# KiCad board dilemma.kicad_pcb (continued)
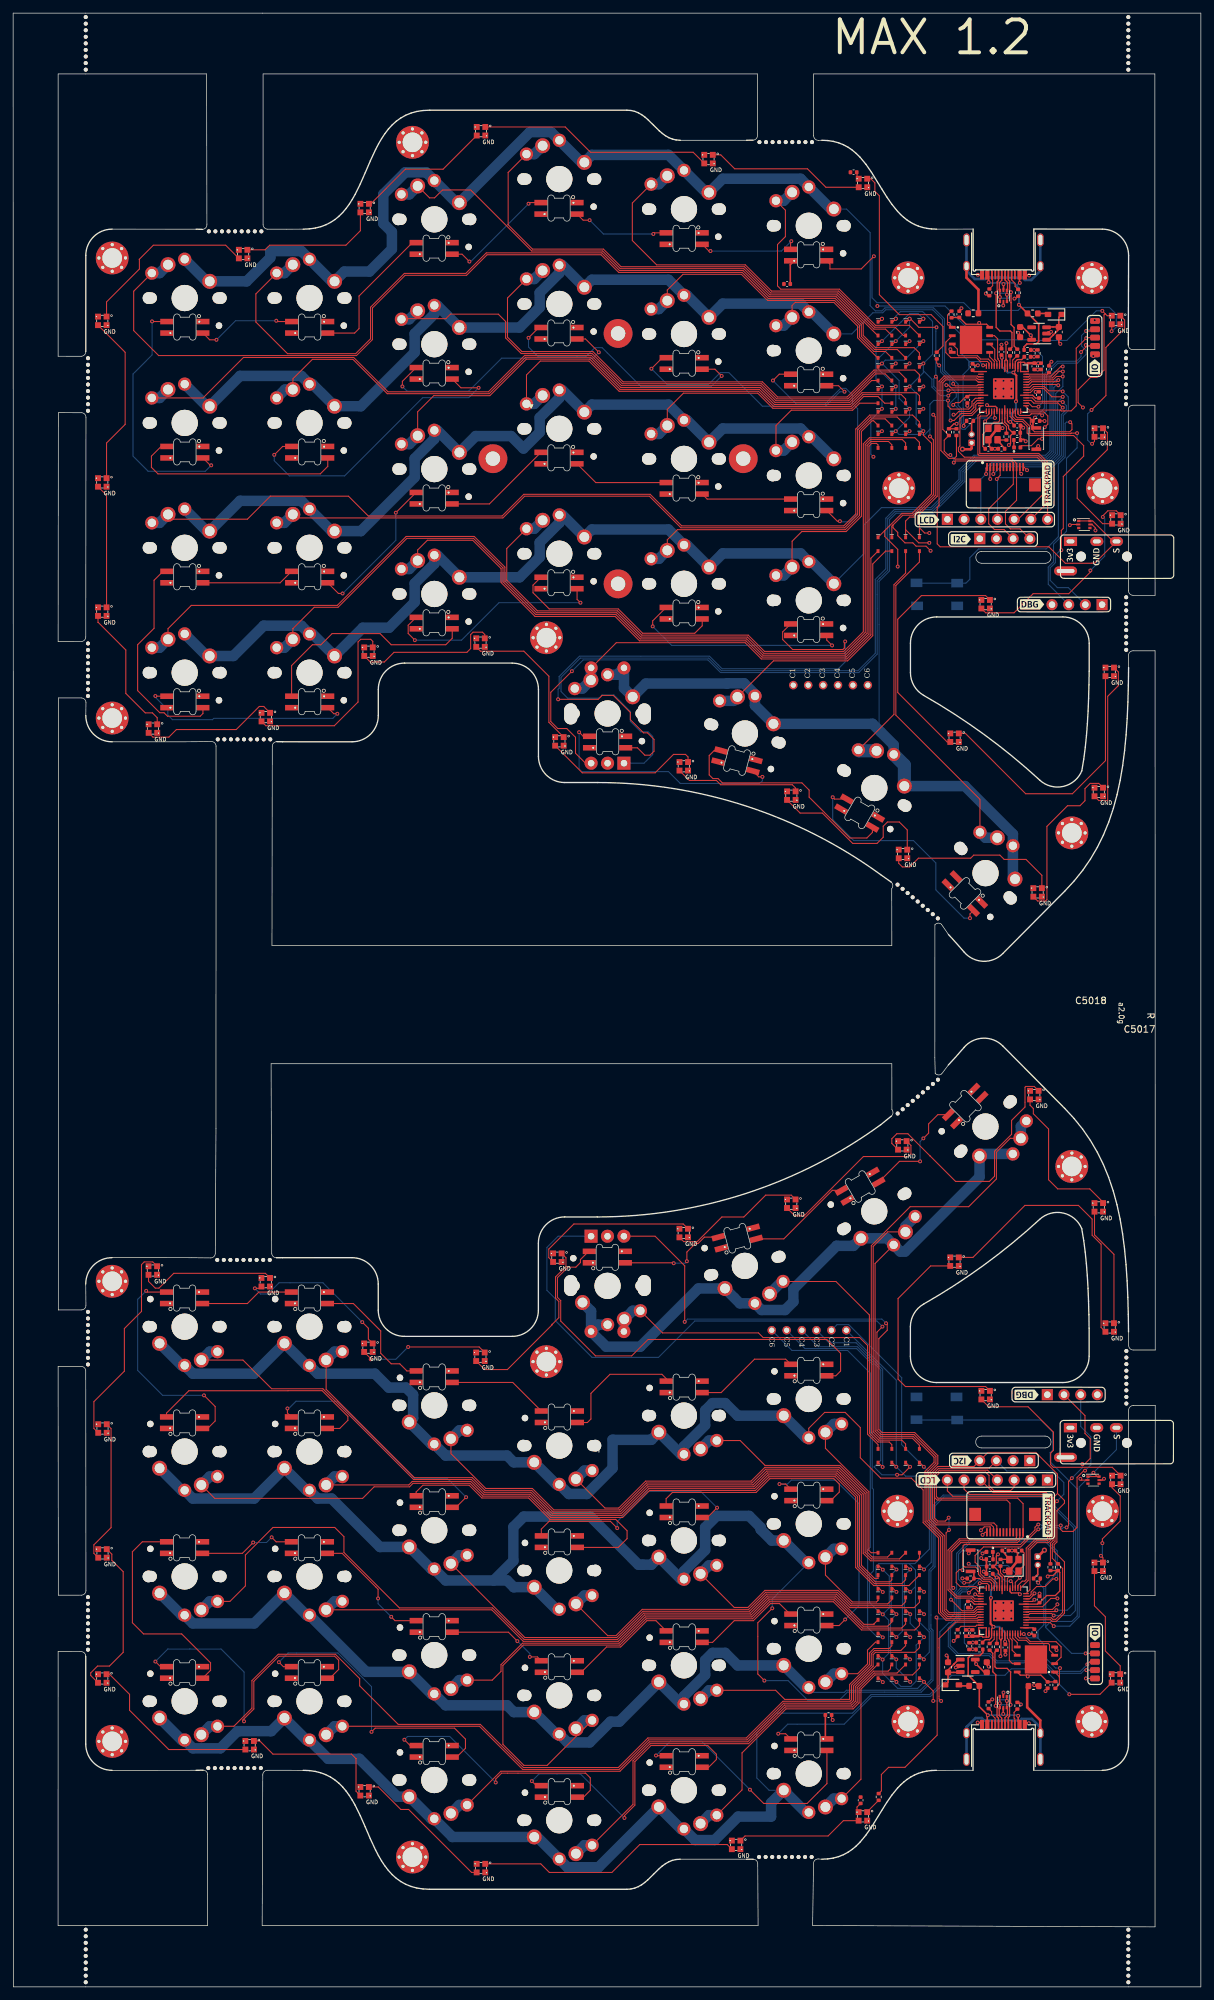
[diagram p0: board, top side]
## Routing (per net, layer and track width the routed paths; a pad name or vN(x,y) marks a point on that pad's centre or on a via; arc(x,y) is an arc through that point) (continued)
Net-(D5049-DIN): length 16.6
  Top w0.16: D5049.3 118.24,56.72 116.65,58.31 115.27,58.31 112.67,55.71 109.76,55.71 106.46,52.41 D5052.1
Net-(D5049-DOUT): length 37.5
  Top w0.16: D5049.1 125.72,54.97 v1(126.65,55.9) ; v1(116.65,76.5) 117.59,76.5 D5053.3
  Bottom w0.16: v1(116.65,76.5) 117.85,76.5 118.45,77.1 125.15,77.1 128.75,73.5 128.75,58 v1(126.65,55.9)
Net-(D5050-DIN): length 32.7
  Top w0.16: D5050.3 99.39,74.27 100.35,75.23 113.09,75.23 115.19,77.33 124.92,77.33 125.75,76.5 125.75,75.28 124.44,73.97 D5053.1
Net-(D5050-DOUT): length 35.5
  Top w0.16: v1(107.15,72.9) 105.66,71.41 D5050.1 ; D5064.3 80.39,69.64 81.59,70.84 81.59,70.84 90.91,70.84 v1(91.95,69.8)
  Bottom w0.16: v1(107.15,72.9) 104.65,75.4 96.55,75.4 91.95,70.8 v1(91.95,69.8)
Net-(D5051-DIN): length 16.1
  Top w0.16: D5051.3 124.69,121.19 117.3,113.8 D5066.1
Net-(D5051-DOUT): length 17.5
  Top w0.16: v1(138.55,129.1) 139.35,129.9 139.35,131.3 140.75,132.7 D5137.3 ; v1(138.05,125.6) 134.91,125.6 D5051.1
  Bottom w0.16: v1(138.05,125.6) 138.05,128.6 v1(138.55,129.1)
Net-(D5052-DIN): length 17.4
  Top w0.16: D5054.1 86.47,47.86 90.32,51.71 92.47,51.71 96.47,55.71 97.84,55.71 D5052.3
Net-(D5054-DIN): length 15.6
  Top w0.16: D5056.1 75.39,53.96 v1(76.75,52.6) ; D5054.3 79.81,50.2 v1(78.65,50.2)
  Bottom w0.16: v1(78.65,50.2) 78.65,50.7 v1(76.75,52.6)
Net-(D5055-DIN): length 15.9
  Top w0.16: D5057.1 107.76,90.41 112.85,95.5 117.59,95.5 D5055.3
Net-(D5055-DOUT): length 65.4
  Top w0.16: D5055.1 125.22,92.97 125.95,93.7 125.95,96.4 123.85,98.5 96.65,98.5 94.15,96 88.65,96 83.35,101.3 83.35,104.4 82.85,104.9 82.85,107.9 84.45,109.5 85.65,109.5 86.35,110.2 86.35,110.66 87.61,111.91 D5065.3
Net-(D5056-DIN): length 19
  Top w0.16: v1(55.55,59.1) 55.55,60.49 50.08,65.96 D5058.1 ; v1(57.55,56.3) 58.14,55.71 D5056.3
  Bottom w0.16: v1(55.55,59.1) 55.55,58.3 v1(57.55,56.3)
Net-(D5057-DIN): length 19.5
  Top w0.16: D5059.1 87.41,85.86 87.95,86.4 87.95,90.3 90.85,93.2 98.75,93.2 99.39,92.56 D5057.3
Net-(D5058-DIN): length 14.8
  Top w0.16: v1(39.35,68.4) 40.04,67.71 D5058.3 ; v1(36.54,67.61) 34.9,65.96 D5134.1
  Bottom w0.16: v1(39.35,68.4) 38.56,67.61 v1(36.54,67.61)
Net-(D5059-DIN): length 15.4
  Top w0.16: D5061.1 76.04,91.96 D5059.3
Net-(D5060-DIN): length 38
  Top w0.16: v1(68.95,74.5) 67.41,72.96 D5062.1 ; D5060.3 41.75,87.31 v1(41.75,88)
  Bottom w0.16: v1(41.75,88) 41.95,88 43.05,89.1 49.35,89.1 61.15,77.3 66.15,77.3 v1(68.95,74.5)
Net-(D5060-DOUT): length 35.4
  Top w0.16: D5060.1 49.71,84.96 50.95,86.2 50.95,86.79 47.03,90.71 41.85,90.71 41.84,90.7 26.75,90.7 23.34,87.3 D5135.3
Net-(D5061-DIN): length 19.7
  Top w0.16: D5063.1 51.79,103.96 55.95,99.8 55.95,96.4 57.55,94.8 58.85,94.8 59.94,93.71 D5061.3
Net-(D5062-DIN): length 45.3
  Top w0.16: D5062.3 61.34,75.3 62.37,76.33 69.41,76.33 71.36,74.38 78.46,74.38 81.71,71.13 91.72,71.13 93.45,69.4 93.45,68.2 92.11,66.86 D5064.1
Net-(D5063-DIN): length 14.2
  Top w0.16: D5063.3 37.4,105.71 35.65,103.96 D5136.1
Net-(D5065-DOUT): length 16.6
  Top w0.16: D5065.1 100.49,110.16 v1(100.55,110.1) ; D5066.3 105.22,114.07 104.25,113.1 103.85,113.1 102.55,111.8 v1(102.55,110.4)
  Bottom w0.16: v1(100.55,110.1) 102.25,110.1 v1(102.55,110.4)
Net-(D5067-A): length 103.6
  Top w0.16: SW101.2 42.57,244.65 45.55,247.63 51.72,247.63 56.94,242.4 72.46,242.4 77.99,247.94 87.89,247.94 92.49,243.34 113.69,243.34 115.99,241.04 127.31,241.04 130.67,244.4 D5067.2
  Bottom w1.6: SW101.2 41.39,243.03 SW101.2
Net-(D5068-A): length 114.9
  Top w0.16: D5068.2 134.54,238.86 130.51,238.86 128.55,236.9 128.55,224 126.55,222 101.65,222 96.85,226.8 77.85,226.8 74.55,223.5 43.11,223.5 SW102.2
  Bottom w1.6: SW102.2 41.29,222.75 SW102.2
Net-(D5069-A): length 141
  Top w0.16: D5069.2 133.75,234.63 133.25,235.13 130.58,235.13 129.99,234.53 129.99,205.94 126.66,202.61 114.13,202.61 111.66,205.09 95.46,205.09 91.76,208.79 79.56,208.79 74.56,213.78 74.56,215.89 70.07,220.39 59.94,220.39 49.45,209.9 45.82,209.9 42.57,206.65 SW103.2
  Bottom w1.6: SW103.2 41.29,203.75 SW103.2
Net-(D5070-A): length 42
  Top w0.16: SW118.2 115.74,201.75 127.01,201.75 130.85,205.58 130.85,216.5 132.8,218.45 D5070.2
  Bottom w1.6: SW118.2 109.65,195.67 SW118.2
Net-(D5071-A): length 89.3
  Top w0.16: SW104.2 59.2,253.82 65.87,253.82 66.55,254.5 73.85,254.5 74.96,253.39 74.96,250.88 77.33,248.51 88.13,248.51 92.73,243.91 113.93,243.91 116.23,241.61 127.07,241.61 131.16,245.71 134.85,245.71 135.85,244.71 D5071.2
  Bottom w1.6: SW104.2 60.29,253.73 SW104.2
Net-(D5072-A): length 91.3
  Top w0.16: SW105.2 61.57,239.65 64.02,242.1 72.56,242.1 78.11,247.65 87.77,247.65 92.37,243.05 113.57,243.05 115.87,240.75 127.43,240.75 129.22,242.54 137.51,242.54 137.95,242.1 D5072.2
  Bottom w1.6: SW105.2 60.29,234.73 SW105.2
Net-(D5073-A): length 114.7
  Top w0.16: D5073.2 131.65,234.61 131.42,234.84 130.7,234.84 130.27,234.41 130.27,205.82 126.78,202.33 114.01,202.33 111.54,204.8 95.34,204.8 91.64,208.5 79.44,208.5 74.28,213.66 74.28,215.77 69.95,220.1 63.05,220.1 61.57,218.62 SW106.2
  Bottom w1.6: SW106.2 60.29,215.73 SW106.2
Net-(D5074-A): length 36.1
  Top w0.16: SW119.2 134.08,193.61 134.08,213.33 135.85,215.11 D5074.2
  Bottom w2: SW119.2 128.78,188.07 SW119.2
Net-(D5075-A): length 82.4
  Top w0.16: D5075.2 137.95,245.3 137.26,245.99 131.04,245.99 126.95,241.9 116.35,241.9 114.05,244.2 92.85,244.2 88.25,248.8 77.45,248.8 75.25,251 75.25,256.96 SW107.2
  Bottom w1.6: SW107.2 79.32,259.85 SW107.2
Net-(D5076-A): length 70.5
  Top w0.16: SW108.2 78.14,245.25 80.25,247.36 87.66,247.36 92.26,242.76 113.46,242.76 115.76,240.46 127.54,240.46 129.34,242.26 135.19,242.26 135.85,241.6 D5076.2
  Bottom w1.6: SW108.2 79.32,240.85 SW108.2
Net-(D5077-A): length 46.1
  Top w0.16: SW112.2 99.57,258.17 101.96,260.56 110.86,260.56 114.84,256.58 125.05,256.58 128.82,252.81 128.82,251.03 131.02,248.83 132.77,248.83 D5077.2
  Bottom w1.6: SW112.2 98.29,255.28 SW112.2
Net-(D5078-A): length 42.8
  Top w0.16: D5078.2 132.67,240.95 131.65,241.97 129.45,241.97 127.66,240.18 115.64,240.18 113.34,242.48 102.03,242.48 99.57,240.02 SW113.2
  Bottom w1.6: SW113.2 98.29,236.28 SW113.2
Net-(D5079-A): length 22.6
  Top w0.16: D5079.2 131.59,247.85 128.53,250.91 128.53,252.69 124.93,256.29 119.04,256.29 118.57,255.82 SW115.2
  Bottom w1.6: SW115.2 117.29,252.75 SW115.2
Net-(D5080-A): length 23.7
  Top w0.16: SW116.2 116.11,237.55 118.45,239.89 127.78,239.89 128.84,240.95 D5080.2
  Bottom w1.6: SW116.2 117.29,233.75 SW116.2
Net-(D5081-A): length 110.7
  Top w0.16: SW109.2 75.14,218.85 75.14,214.02 79.79,209.36 91.99,209.36 95.69,205.66 111.89,205.66 114.37,203.19 126.42,203.19 129.41,206.18 129.41,234.77 130.34,235.7 137.25,235.7 137.95,235 D5081.2
  Bottom w1.6: SW109.2 79.32,221.85 SW109.2
Net-(D5083-A): length 110.2
  Top w0.16: SW5003.2 60.22,76.37 60.75,76.9 69.65,76.9 71.6,74.95 78.7,74.95 81.95,71.7 92.65,71.7 96.75,75.8 112.85,75.8 114.95,77.9 125.25,77.9 128.54,74.61 128.54,63.92 131.11,61.34 135.25,61.34 135.85,61.94 D5083.2
  Bottom w1.6: SW5003.2 48.92,77.65 SW5003.2
Net-(D5084-A): length 40.9
  Top w0.16: D5084.2 133.75,82.5 133.35,82.9 131.66,82.9 130.34,84.22 130.34,102.22 125.24,107.32 SW5005.2
  Bottom w1.6: SW5005.2 117.02,107.32 SW5005.2
Net-(D5085-A): length 45.4
  Top w0.16: D5085.2 137.95,82.4 136.88,83.47 131.89,83.47 130.91,84.45 130.91,112.66 133.12,114.87 SW5009.2
  Bottom w1.6: SW5009.2 135.82,115.71 SW5009.2
Net-(D5086-A): length 83.6
  Top w0.16: SW5007.2 77.89,53.15 91.87,53.15 95.87,57.15 112.07,57.15 114.67,59.75 125.33,59.75 127.37,57.7 137.15,57.7 137.95,58.5 D5086.2
  Bottom w1.6: SW5007.2 67.92,65.67 SW5007.2
Net-(D5087-A): length 59.7
  Top w0.16: D5087.2 135.85,58.6 135.24,57.99 127.49,57.99 125.44,60.03 114.56,60.03 111.96,57.44 95.76,57.44 91.76,53.44 90.5,53.44 SW5011.2
  Bottom w1.6: SW5011.2 86.95,59.55 SW5011.2
Net-(D5089-A): length 36.8
  Top w0.16: SW5015.2 109.76,57.72 111.84,57.72 114.44,60.32 125.56,60.32 127.61,58.27 133.12,58.27 133.75,58.9 D5089.2
  Bottom w1.6: SW5015.2 105.92,64.12 SW5015.2
Net-(D5090-A): length 16
  Top w0.16: D5090.2 131.65,58.79 131.42,58.56 127.73,58.56 123.64,62.65 SW5018.2
  Bottom w1.6: SW5018.2 124.92,66.65 SW5018.2
Net-(D5091-A): length 132
  Top w0.16: D5091.2 137.95,248.6 137.15,249.4 131.26,249.4 129.39,251.27 129.39,253.04 125.29,257.15 115.08,257.15 111.09,261.14 92.3,261.14 89.61,263.83 72.02,263.83 68.9,260.7 59.55,260.7 54.4,255.55 54.4,250.75 52.14,248.49 41.76,248.49 36.95,253.3 36.95,257.59 SW5023.2
  Bottom w1.6: SW5023.2 41.29,260.75 SW5023.2
Net-(D5092-A): length 83.5
  Top w0.16: D5092.2 131.59,251.25 125.4,257.44 115.2,257.44 111.21,261.43 92.42,261.43 89.73,264.11 78.93,264.11 69.64,273.4 65.35,273.4 64.15,272.2 63.38,272.2 SW5024.2
  Bottom w1.6: SW5024.2 60.29,272.73 SW5024.2
Net-(D5093-A): length 80.3
  Top w0.16: SW5025.2 75.35,276.06 75.35,268.1 79.05,264.4 89.85,264.4 92.54,261.71 111.33,261.71 115.32,257.73 125.52,257.73 131.02,252.23 132.77,252.23 D5093.2
  Bottom w1.6: SW5025.2 79.32,278.85 SW5025.2
Net-(D5094-A): length 60.3
  Top w0.16: D5094.2 135.51,251.25 134.25,252.51 131.14,252.51 125.64,258.01 115.44,258.01 111.45,262 97.95,262 94.25,265.7 94.25,271.41 SW5026.2
  Bottom w1.6: SW5026.2 98.29,274.28 SW5026.2
Net-(D5095-A): length 41.8
  Top w0.16: D5095.2 136.4,252.8 131.26,252.8 125.76,258.3 116.85,258.3 116.35,258.8 116.35,265.1 117.55,266.3 117.55,270.32 SW5027.2
  Bottom w1.6: SW5027.2 117.29,271.75 SW5027.2
Net-(D5096-A): length 162.5
  Top w0.16: D5096.2 135.85,234.91 135.35,235.41 130.46,235.41 129.7,234.65 129.7,206.06 126.54,202.9 114.25,202.9 111.78,205.37 95.58,205.37 91.88,209.07 79.68,209.07 74.85,213.9 74.85,216.01 70.19,220.67 59.82,220.67 49.33,210.19 27.11,210.19 23.57,206.65 SW5031.2
  Bottom w1.6: SW5031.2 22.29,203.75 SW5031.2
Net-(D5097-A): length 148.7
  Top w0.16: D5097.2 134.59,249.11 131.14,249.11 129.11,251.15 129.11,252.92 125.17,256.87 114.96,256.87 110.97,260.85 92.18,260.85 89.49,263.54 72.14,263.54 69.02,260.41 59.67,260.41 54.69,255.43 54.69,250.63 52.26,248.2 22.15,248.2 18.35,252 18.35,257.99 SW5028.2
  Bottom w1.6: SW5028.2 22.29,260.75 SW5028.2
Net-(D5098-A): length 127.6
  Top w0.16: D5098.2 132.73,245.42 131.28,245.42 127.19,241.33 116.11,241.33 113.81,243.63 92.61,243.63 88.01,248.23 77.88,248.23 72.34,242.69 57.06,242.69 51.84,247.91 35.06,247.91 28.9,241.75 SW5029.2
  Bottom w1.6: SW5029.2 22.29,241.75 SW5029.2
Net-(D5099-A): length 139.2
  Top w0.16: SW5030.2 24.31,223.3 35.65,223.3 39.15,226.8 51.05,226.8 54.06,223.79 74.43,223.79 77.73,227.09 96.97,227.09 101.77,222.29 126.43,222.29 128.26,224.12 128.26,237.02 130.39,239.14 136.91,239.14 137.95,238.1 D5099.2
  Bottom w1.6: SW5030.2 22.29,222.75 SW5030.2
Net-(D5100-A): length 134.3
  Top w0.16: D5100.2 133.75,61.93 133.45,61.63 131.23,61.63 128.82,64.04 128.82,74.73 125.37,78.19 114.83,78.19 112.73,76.09 96.63,76.09 92.53,71.99 82.07,71.99 78.8,75.25 71.7,75.25 69.77,77.19 60.96,77.19 47.15,91 39.35,91 34.98,95.37 SW5034.2
  Bottom w1.6: SW5034.2 29.92,96.65 SW5034.2
Net-(D5101-A): length 124.2
  Top w0.16: SW5032.2 33,58.65 35.35,61 35.35,65.7 39.55,69.9 48.95,69.9 50.35,68.5 50.35,66.1 58.8,57.65 72.98,57.65 77.77,52.86 91.99,52.86 95.99,56.86 112.19,56.86 114.79,59.46 125.21,59.46 129.51,55.16 131.01,55.16 131.05,55.2 131.05,55.25 D5101.2
  Bottom w1.6: SW5032.2 29.92,58.65 SW5032.2
Net-(D5102-A): length 132.6
  Top w0.16: SW5033.2 30.69,74.32 53.19,74.32 54.95,76.08 60.33,76.08 60.87,76.61 69.53,76.61 71.48,74.66 78.58,74.66 81.83,71.41 92.77,71.41 96.87,75.51 112.97,75.51 115.07,77.61 125.13,77.61 128.25,74.49 128.25,63.8 130.99,61.06 136.36,61.06 D5102.2
  Bottom w1.6: SW5033.2 29.92,77.65 SW5033.2
Net-(D5103-A): length 104.4
  Top w0.16: SW5035.2 70.99,39.65 77.55,33.09 92.24,33.09 96.73,37.57 111.71,37.57 117.29,43.16 127.51,43.16 127.9,43.56 127.9,45.78 130.91,48.78 130.91,50.54 131.26,50.9 137.25,50.9 137.95,51.6 D5103.2
  Bottom w1.6: SW5035.2 48.92,39.65 SW5035.2
Net-(D5104-A): length 75.7
  Top w0.16: SW5036.2 74.23,32.8 92.36,32.8 96.85,37.29 111.83,37.29 117.41,42.87 127.63,42.87 128.19,43.44 128.19,45.66 131.58,49.05 D5104.2
  Bottom w1.6: SW5036.2 67.92,27.67 SW5036.2
Net-(D5105-A): length 65.4
  Top w0.16: D5105.2 133.55,48.85 133.55,48.4 133.18,48.03 130.97,48.03 128.48,45.54 128.48,43.32 127.74,42.59 117.53,42.59 111.94,37 96.97,37 94.35,34.38 94.35,27.77 SW5037.2
  Bottom w1.6: SW5037.2 86.95,21.55 SW5037.2
Net-(D5106-A): length 45.8
  Top w0.16: D5106.2 134.54,47.74 131.09,47.74 128.76,45.42 128.76,43.2 127.86,42.3 117.65,42.3 110.95,35.6 110.95,29.97 SW5038.2
  Bottom w1.6: SW5038.2 105.92,26.12 SW5038.2
Net-(D5107-A): length 31.6
  Top w0.16: SW5039.2 129.05,31.59 129.05,45.3 131.21,47.46 136.91,47.46 137.95,48.5 D5107.2
  Bottom w1.6: SW5039.2 124.92,28.65 SW5039.2
Net-(D5108-A): length 133.1
  Top w0.16: D5108.2 135.85,51.9 135.14,51.19 131.14,51.19 130.62,50.66 130.62,48.9 127.62,45.89 127.62,43.68 127.39,43.45 117.17,43.45 111.59,37.86 96.61,37.86 92.12,33.37 77.67,33.37 71.11,39.93 58.62,39.93 52.75,45.8 52.75,46.9 49.05,50.6 40.35,50.6 36.35,46.6 36.35,42.4 33.6,39.65 SW5040.2
  Bottom w1.6: SW5040.2 29.92,39.65 SW5040.2
Net-(D5115-DOUT): length 21.9
  Top w0.16: D5116.1 14.91,84.94 14.91,69.87 12.29,67.25 12.29,65.96 D5115.3
Net-(D5117-DOUT): length 15.9
  Top w0.16: v1(118.45,265.6) 118.34,265.49 118.34,264.37 ; D5122.3 105.91,264.1 v1(106.15,264.1)
  Bottom w0.16: v1(106.15,264.1) 116.95,264.1 v1(118.45,265.6)
Net-(D5118-DIN): length 15.2
  Top w0.16: D5119.1 40.17,253.38 v1(40.05,253.5) ; 28.89,251.62 29.91,250.6 v1(30.95,250.6)
  Bottom w0.16: v1(30.95,250.6) 33.85,253.5 v1(40.05,253.5)
Net-(D5118-DOUT): length 38.9
  Top w0.16: v1(30.15,231.5) 30.01,231.5 28.89,232.62 ; v1(21.15,253.4) 21.17,253.38 D5118.1
  Bottom w0.16: v1(30.15,231.5) 29.25,230.6 20.55,230.6 18.25,232.9 18.25,245.4 21.15,248.3 v1(21.15,253.4)
Net-(D5119-DIN): length 22.1
  Top w0.16: 47.89,251.62 51.97,251.62 52.65,252.3 52.65,257.26 60.76,265.38 D5120.1
Net-(D5120-DIN): length 17.7
  Top w0.16: D5121.1 78.62,271.47 v1(78.45,271.3) ; D5120.3 68.32,263.62 v1(69.45,262.5)
  Bottom w0.16: v1(69.45,262.5) 69.65,262.5 v1(78.45,271.3)
Net-(D5121-DIN): length 14.9
  Top w0.16: 85.84,269.72 86.76,268.8 v1(87.75,268.8) ; v1(97.45,266.7) 97.62,266.88 D5122.1
  Bottom w0.16: v1(97.45,266.7) 89.85,266.7 v1(87.75,268.8)
Net-(D5124-DOUT): length 32.9
  Top w0.16: D5125.3 28.89,193.74 28.48,193.33 23.5,193.33 22.97,193.86 22.32,193.86 18.95,197.22 18.95,204.2 21.45,206.7 21.45,214.01 22.81,215.38 D5124.1
Net-(D5126-A): length 70
  Top w0.16: SW5042.2 151.77,129.1 149.67,127 149.67,122.92 145.45,118.7 136.55,118.7 130.63,112.78 130.63,84.34 131.77,83.19 135.26,83.19 135.85,82.6 D5126.2
  Bottom w1.6: SW5042.2 153.39,130.91 SW5042.2
Net-(D5128-DOUT): length 38.7
  Top w0.16: D5129.3 97.89,35.16 v1(97.85,35.2) ; D5128.1 123.87,30.92 120.85,27.9 114.25,27.9 v1(112.15,30)
  Bottom w0.16: v1(97.85,35.2) 100.05,37.4 104.75,37.4 v1(112.15,30)
Net-(D5129-DOUT): length 45.7
  Top w0.16: v1(78.95,31.3) 79.64,30.61 D5130.3 ; v1(93.05,25.7) 93.05,26.06 94.64,27.65 94.64,34.26 97.09,36.71 105.74,36.71 107.05,35.4 107.05,34.6 105.86,33.41 D5129.1
  Bottom w0.16: v1(78.95,31.3) 80.05,32.4 86.35,32.4 v1(93.05,25.7)
Net-(D5130-DOUT): length 39
  Top w0.16: v1(73.45,31.1) 73.45,31.61 74.35,32.51 87.14,32.51 87.85,31.8 87.85,29.9 86.81,28.86 D5130.1 ; v1(59.55,37.6) 60.44,36.71 D5131.3
  Bottom w0.16: v1(73.45,31.1) 66.45,38.1 60.05,38.1 v1(59.55,37.6)
Net-(D5131-DOUT): length 45
  Top w0.16: v1(54.55,38.8) 55.11,39.36 67.19,39.36 68.85,37.7 68.85,36.3 67.51,34.96 D5131.1 ; D5132.3 41.14,48.71 v1(40.45,49.4)
  Bottom w0.16: v1(54.55,38.8) 54.55,45.68 49.43,50.8 41.85,50.8 v1(40.45,49.4)
Net-(D5132-DOUT): length 50.5
  Top w0.16: D5133.3 22.44,48.71 v1(21.65,49.5) ; v1(35.15,40.4) 34.95,40.6 36.64,42.28 36.64,46.48 40.47,50.31 48.93,50.31 49.55,49.69 49.55,48.3 48.21,46.96 D5132.1
  Bottom w0.16: v1(21.65,49.5) 23.55,51.4 31.65,51.4 35.15,47.9 v1(35.15,40.4)
Net-(D5133-DOUT): length 33.9
  Top w0.16: D5134.3 19.66,67.71 18.15,66.2 18.15,55.4 19.85,53.7 25.65,53.7 30.05,49.3 30.05,48.17 D5133.1
Net-(D5135-DOUT): length 34.5
  Top w0.16: v1(20.25,105.9) 20.44,105.71 D5136.3 ; D5135.1 29.61,84.96 30.75,86.1 30.75,88.3 v1(29.05,90)
  Bottom w0.16: v1(29.05,90) 22.75,90 18.95,93.8 18.95,104.6 v1(20.25,105.9)
Net-(D5138-DOUT): length 41.1
  Top w0.16: D5138.3 166.27,186.57 161.23,181.53 154.13,181.53 144.95,190.71 D5139.1
Net-(D5139-DOUT): length 38.1
  Top w0.16: D5140.1 148.02,211.68 138.25,211.68 134.65,208.08 134.65,196.94 142.18,189.41 D5139.3
Net-(D5141-DOUT): length 42.4
  Top w0.16: D5142.1 146.1,110.99 154.01,118.9 162.15,118.9 164.24,116.81 164.24,114.36 165.6,113 165.6,100.33 D5141.3
Net-(D5142-DOUT): length 37
  Top w0.16: D5142.3 139.66,109.69 134.7,104.73 134.7,92.46 135.82,91.34 148.02,91.34 D5143.1
Net-(J1-CC1): length 2.6
  Top w0.16: 151.98,260.42 151.98,259.72 152.51,259.19 152.51,258.73 R4.1
Net-(J1-CC2): length 2.3
  Top w0.16: R5.1 149.1,258.83 149.1,259.71 148.98,259.83 148.98,260.42
Net-(J1-SHIELD): length 29.7
  Top w0.4: FB1.2 146.94,258.22 145.11,260.05 145.11,261.72
  Bottom w0.4: 145.11,265.72 145.11,261.12 146.39,259.84 147.94,259.84 148.16,260.06 153.66,260.06 154.02,259.7 154.97,259.7 156.35,261.09 156.35,265.72
Net-(J5-Pin_2): length 2.2
  Top w0.25: J5.2 145.89,238 R3.1
Net-(J5001-CC1): length 2.6
  Top w0.16: 149.47,40.18 149.47,40.88 148.94,41.41 148.94,41.87 R5005.1
Net-(J5001-CC2): length 2.3
  Top w0.16: 152.47,40.18 152.47,40.77 152.36,40.89 152.36,41.77 R5004.1
Net-(J5001-SHIELD): length 30.4
  Top w0.4: 156.34,38.88 156.34,40.55 154.36,42.54 154.36,45.58 FB5001.2
  Bottom w0.4: 145.25,39.66 145.12,39.53 J5001.S1 ; 145.25,39.66 146.49,40.9 147.44,40.9 147.8,40.54 153.3,40.54 153.52,40.76 155.07,40.76 156.36,39.47 J5001.S1 ; 145.25,39.66 145.1,39.51
Net-(J5002-Pin_2): length 2.3
  Top w0.25: J5002.2 155.97,62.77 R5003.1
Net-(U1-USB_DM): length 1.9
  Top w0.16: R7.2 152.79,248.15 152.14,247.51 U1.46
Net-(U1-USB_DP): length 1.6
  Top w0.16: U1.47 R6.2
Net-(U1-XIN): length 7.3
  Top w0.16: U1.20 150.14,238.26 149.94,238.06 149.29,238.06 148.44,237.21 Y1.1 148.44,237.06 147.59,236.21 147.59,234.38 C3.1
Net-(U1-XOUT): length 3.6
  Top w0.16: R8.2 151.19,237.38 150.54,238.03 U1.21
Net-(U5002-USB_DM): length 1.9
  Top w0.16: U5002.46 149.34,52.89 148.69,52.24 R5007.2
Net-(U5002-USB_DP): length 1.6
  Top w0.16: U5002.47 R5006.2
Net-(U5002-XIN): length 7.3
  Top w0.16: C5005.1 153.89,66.01 153.89,64.18 153.04,63.33 Y5001.1 153.04,63.18 152.19,62.33 151.54,62.33 151.34,62.13 U5002.20
Net-(U5002-XOUT): length 3.6
  Top w0.16: R5008.2 150.29,63.01 150.94,62.36 U5002.21

## Copper pours and planes (outline as drawn; the poured copper is in the pictures)
+3V3 on Top: 153.54,240.3 147.94,240.3 147.94,245.9 153.54,245.9
+3V3 on In1.Cu: 190.79,148.9 0.98,164.09 -8.44,296.18 193.33,285.15
+3V3_L on Top: 147.94,60.1 153.54,60.1 153.54,54.5 147.94,54.5
+3V3_L on In1.Cu: -0.1,153.06 103.51,147.42 188.65,143.4 187.71,-1.61 -2.49,8.07
GND on Top, Bottom, In2.Cu: 196.55,288.38 190.65,149.41 -0.37,165.97 -8.71,295.37
GND_L on Top, Bottom, In2.Cu: -0.91,152.52 188.9,143.8 187.98,5.65 1.82,8.88

## Text on the board
B.Silkscreen: MAX 1.2 | C6 | C5 | C4 | C3 | C2 | C1 | DESIGN BY Q LEBASTARD / BASTARDKB 2025 | ORIGINAL DILEMMA MAX 1.2
User.Drawings: rot -45 | rot -30
F.Silkscreen: a2.0g | R | L | MAX 1.2 | C1 | C2 | C3 | C4 | C5 | C6
